# Allegro board LAY-90841_A4.brd (continued)
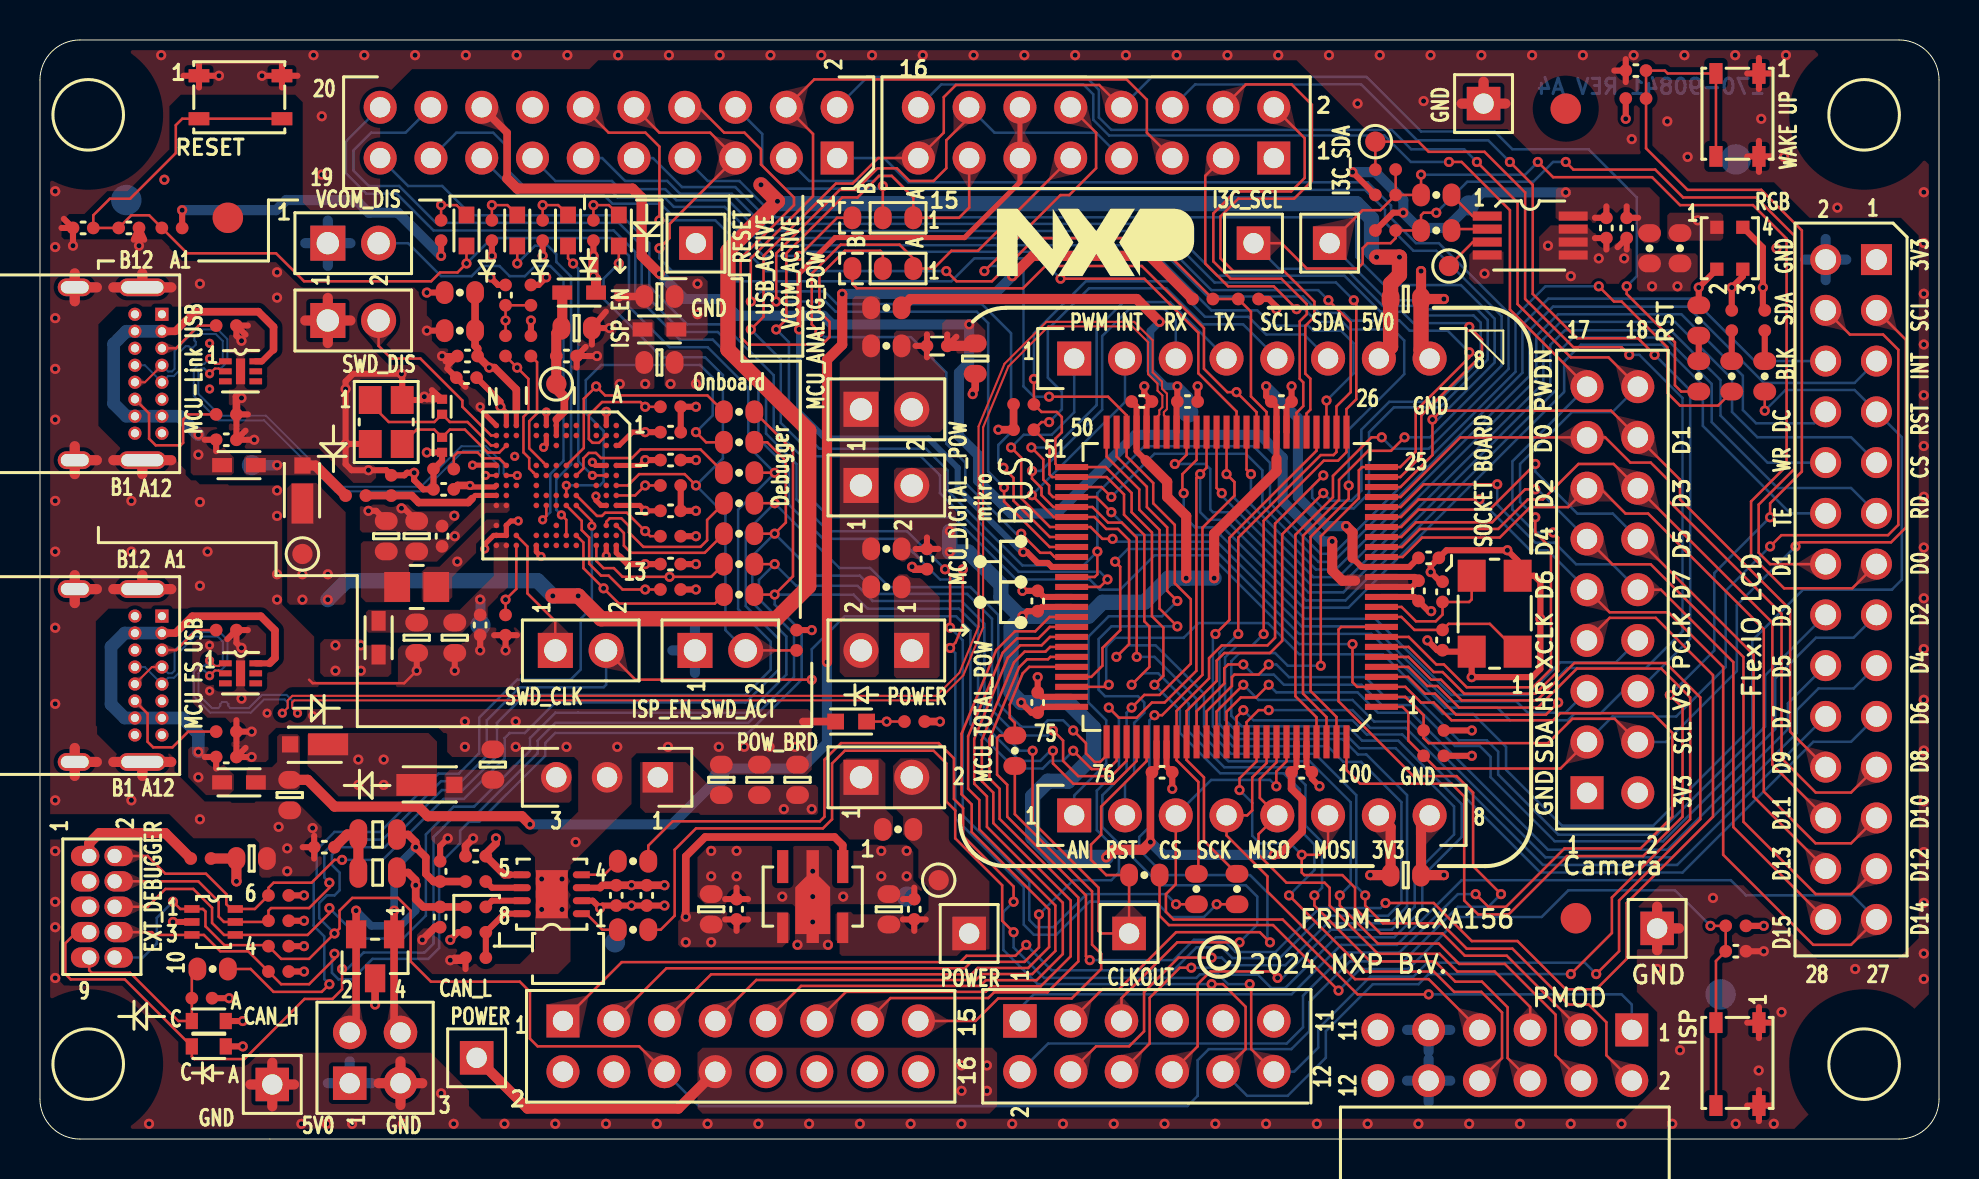
[diagram p0: board, top side]
## Copper pours and planes (outline as drawn; the poured copper is in the pictures) (continued)
N1590729 on BOTTOM: 6.78,39.95 6.41,39.95 6.4,39.93 4.37,39.93 4.24,39.81 4.24,37.01 4.49,36.76 7.41,36.76 7.91,36.26 7.92,36.26 8.56,35.63 8.56,33.83 8.38,33.66 7.36,33.66 6.91,34.1 6.91,35.24 6.78,35.36 3.86,35.36 2.97,36.25 2.97,40.32 3.48,40.82 6.39,40.82 6.4,40.83 6.66,40.83 6.86,40.64 6.86,40.02
N16764659 on TOP: 7.54,19.63 8.94,19.63 9.19,19.37 9.19,18.74 9.7,18.23 9.7,17.47 9.45,17.21 8.3,17.21 7.41,18.1 7.41,19.5
N16764659 on BOTTOM: 3.48,25.72 6.4,25.72 6.53,25.59 6.53,24.96 6.4,24.83 4.37,24.83 4.24,24.71 4.24,21.91 4.49,21.66 7.55,21.66 8.64,20.57 8.64,17.93 8.43,17.72 7.41,17.72 7.29,17.85 7.29,19.75 6.78,20.26 3.86,20.26 2.97,21.15 2.97,25.21
N16766719 on TOP: 44.75,38.93 45.26,38.42 45.26,35.63 45.01,35.37 42.97,35.37 42.72,35.63 42.72,40.33 42.85,40.45 44.63,40.45 44.75,40.33

Small or netless copper shapes (teardrops, artwork), in the pictures only: 100 on TOP, 57 on BOTTOM, 3 on L2_GND

## Text on the board
BOTTOM: 170-90841 REV A4 | 07 | L4_SS
Board Geometry/Soldermask Bottom: 08 | SECONDARY SOLDERMASK
Ref Des/Silkscreen Bottom: P0_22 | P2_15 | P2_19 | P2_20 | P0_16 | P0_18 | P0_20 | CAN_H | 5V0 | P1_10 | GND | CAN_L | P2_5 | P3_31 | P1_13 | P2_11 | 3V3 | P3_20 | P3_19 | P1_8 | P2_3 | P2_6 | P2_7 | P2_4 | P2_16 | P2_2 | P2_1 | P3_11 | P3_10 | P3_9 | P3_17 | P1_5 | P3_8 | P1_4 | P3_7 | P3_6 | P3_12 | P3_13 | P3_14 | P4_6 | P2_17 | P3_15 | P3_18 | P3_30 | P3_16 | P3_29 | P1_3 | P1_6 | P3_21 | P1_1 | P3_27 | P1_2 | P3_28 | P1_0 | P2_0 | P4_2 | P4_4 | P1_9 | P3_0 | P1_14 | P3_1 | P4_5 | P4_3 | P4_7 | P1_15 | P2_21 | P2_23 | P0_17 | P0_19 | P0_21 | P0_23 | P3_22 | VIN | VDDA | P2_12 | P1_29 | L3V3 | P1_12 | P2_10 | 09 | SECONDARY SILKSCREEN
User.Comments: 1 OF 1 | TEST PROBE | 1/1 | 1 | 2
TOP: 04 | L1_PS
Board Geometry/Soldermask Top: 03 | PRIMARY SOLDERMASK
Ref Des/Silkscreen Top: CAN_H | 5V0 | GND | CAN_L | Onboard | AN | PWM | RST | INT | CS | RX | SCK | TX | MISO | SCL | SDA | MOSI | 3V3 | Debugger | mikro | SOCKET BOARD | WR | D1 | D3 | D5 | D7 | D9 | D11 | D13 | D15 | TE | RD | D0 | D2 | D4 | D6 | D8 | D10 | D12 | D14 | DC | BLK | PWDN | XCLK | HR | PCLK | VS | FRDM-MCXA156 | 02 | PRIMARY SILKSCREEN | BUS
L2_GND: 05 | L2_GND
L3_PWR: 06 | L3_PWR
XSECTION_CHART: LAYERS | L1_PS | L4_SS | TRACE WIDTH | 5.00 | SE | IMPEDANCE | 50.00 | 4.00 | TRACE SPACING | DIFF | 90.00 | REFERENCE LAYER | 2 | 3 | SCALE: NONE | ALL VALUES ARE FINISHED VALUES | BOARD THICKNESS TOLERANCE +/-10% | 19 | 16 | 22 | *  SURFACE - AIR 0 MIL | * SOLDERMASK_TOP MASK - DRY_FILM_MASK 1.14 MIL | L1 TOP CONDUCTOR - COPPER 2.1 MIL | *  DIELECTRIC - S1000HB 3.39 MIL | L2 L2_GND PLANE - COPPER 1.2 MIL | *  DIELECTRIC - S1000H 48.43 MIL | L3 L3_PWR PLANE - COPPER 1.2 MIL | L4 BOTTOM CONDUCTOR - COPPER 2.1 MIL | * SOLDERMASK_BOTTOM MASK - DRY_FILM_MASK 1.14 MIL | DESIGN CROSS SECTION CHART | ___________________________ | TOTAL THICKNESS 64.09 MIL | DETAIL | LAYER STACKUP | 1-4 | A
DIMENSION: PRIMARY DATUM | GRID ORIGIN
BODY_CENTER: 01 | PRIMARY PASTEMASK
DISPLAY_TOP: 10 | SECONDARY PASTEMASK
User.10: Page-9 | Page-5 | Page-1 | Page-6 | Page-2 | Page-7 | Page-3 | Page-8 | Page-4
User.11: 6501 WILLIAM CANNON DRIVE WEST | AUSTIN. TEXAS 78735 USA | SHEET | THIS DOCUMENT CONTAINS INFORMATION | PROPRIETARY TO NXP AND SHALL NOT | BE USED FOR ENGINEERING DESIGN | NXP. | PROCUREMENT OR MANUFACTURE IN WHOLE | OR IN PART WITHOUT THE CONSENT OF | FILM | NAME | DATE | 06-12-23 | ___ COMPANY PUBLIC | ___ COMPANY INTERNAL | ___ COMPANY CONFIDENTIAL | NUMBER | OF 8 | X | 170-90829      REV A | FRDM-MCXA153 | NXP SEMICONDUCTORS
User.12: 9 | 1 | A | C | 2 | 10 | 16 | 15 | 8 | 11 | 12 | 3 | 4 | 6 | N | 19 | 20 | 13 | 32 | 17 | 33 | 48 | 49 | 64 | B1 | B12 | A12 | A1 | 6501 WILLIAM CANNON DRIVE WEST | AUSTIN. TEXAS 78735 USA | SHEET | THIS DOCUMENT CONTAINS INFORMATION | PROPRIETARY TO NXP AND SHALL NOT | BE USED FOR ENGINEERING DESIGN | NXP. | PROCUREMENT OR MANUFACTURE IN WHOLE | OR IN PART WITHOUT THE CONSENT OF | FILM | NAME | DATE | 06-12-23 | ___ COMPANY PUBLIC | ___ COMPANY INTERNAL | ___ COMPANY CONFIDENTIAL | NUMBER | OF 8 | X | 170-90829      REV A | FRDM-MCXA153 | NXP SEMICONDUCTORS
User.13: 1 | 2 | J3 | 16 | 15 | J1 | J4 | 11 | 12 | 19 | 20 | J2 | 2165.354 | 2000.000 | 100.000 | 1900.000 | 740.000 | 940.000 | 1100.000 | 1300.000 | 1640.000 | 1800.000 | 2500.000 | 72.724 | 160.000 | 200.000
User.15: OF 10
User.18: 22. THIS FAB_VIAFILL.ART SHOWS LOCATIONS OF VIA-IN-PAD TO BE FILLED. | 1/1 | 2
User.19: 24. | 1/1 | 3 | CAD DESIGNER: DELETE THIS FAB PAGE IF BACKDRILL IS NOT USED ON THIS DESIGN. | FAB SUPPLIER: DISREGARD THIS PAGE IF BACKDRILL REQUIRMENT IS NOT PROVIDED.
User.21: 12-29-23 | 02-26-24 | 04-11-24 | 06-14-24 | Y.Z. | S.D. | A.Z. | O.H. | A4 | A3 | A1 | A2 | FIX P2_6/LPSPI1_PCS2-ARD_D10 | TO P2_6/LPSPI1_PCS1-ARD_D10 | CHANGED THE LOCATION OF BH1&BH2 | ADD TEST POINTS (TP5-TP12) | ALIGN ARDUINO POSITIONS (J1-J4) | UPDATE MCU SYMBOL
User.25: TOP TO LAYER X | BACK DRILL REFERENCE | BOTTOM TO LAYER X | LAYER X | MUST CUT LAYER | LAYER X+1 | MUST NOT CUT LAYER | LAYER X-1
User.26: FIGURE | FINISHED_SIZE | 8.0 | 10.0 | 10.1 | 16.0 | 28.0 | 40.0 | 41.0 | 44.0 | 125.0 | 55.0x24.0 | 83.0x24.0 | DRILL CHART: TOP to BOTTOM | ALL UNITS ARE IN MILS | TOLERANCE_DRILL | +0.0/-8.0 | +0.0/-10.0 | +0.0/-10.1 | +2.0/-2.0 | +3.0/-3.0 | PLATED | NON-PLATED | QTY | 31 | 502 | 7 | 32 | 10 | 114 | 40 | 16 | 4
